# Altium PCB Control_Board.Pcbdoc (part 1 of 2) (continued)
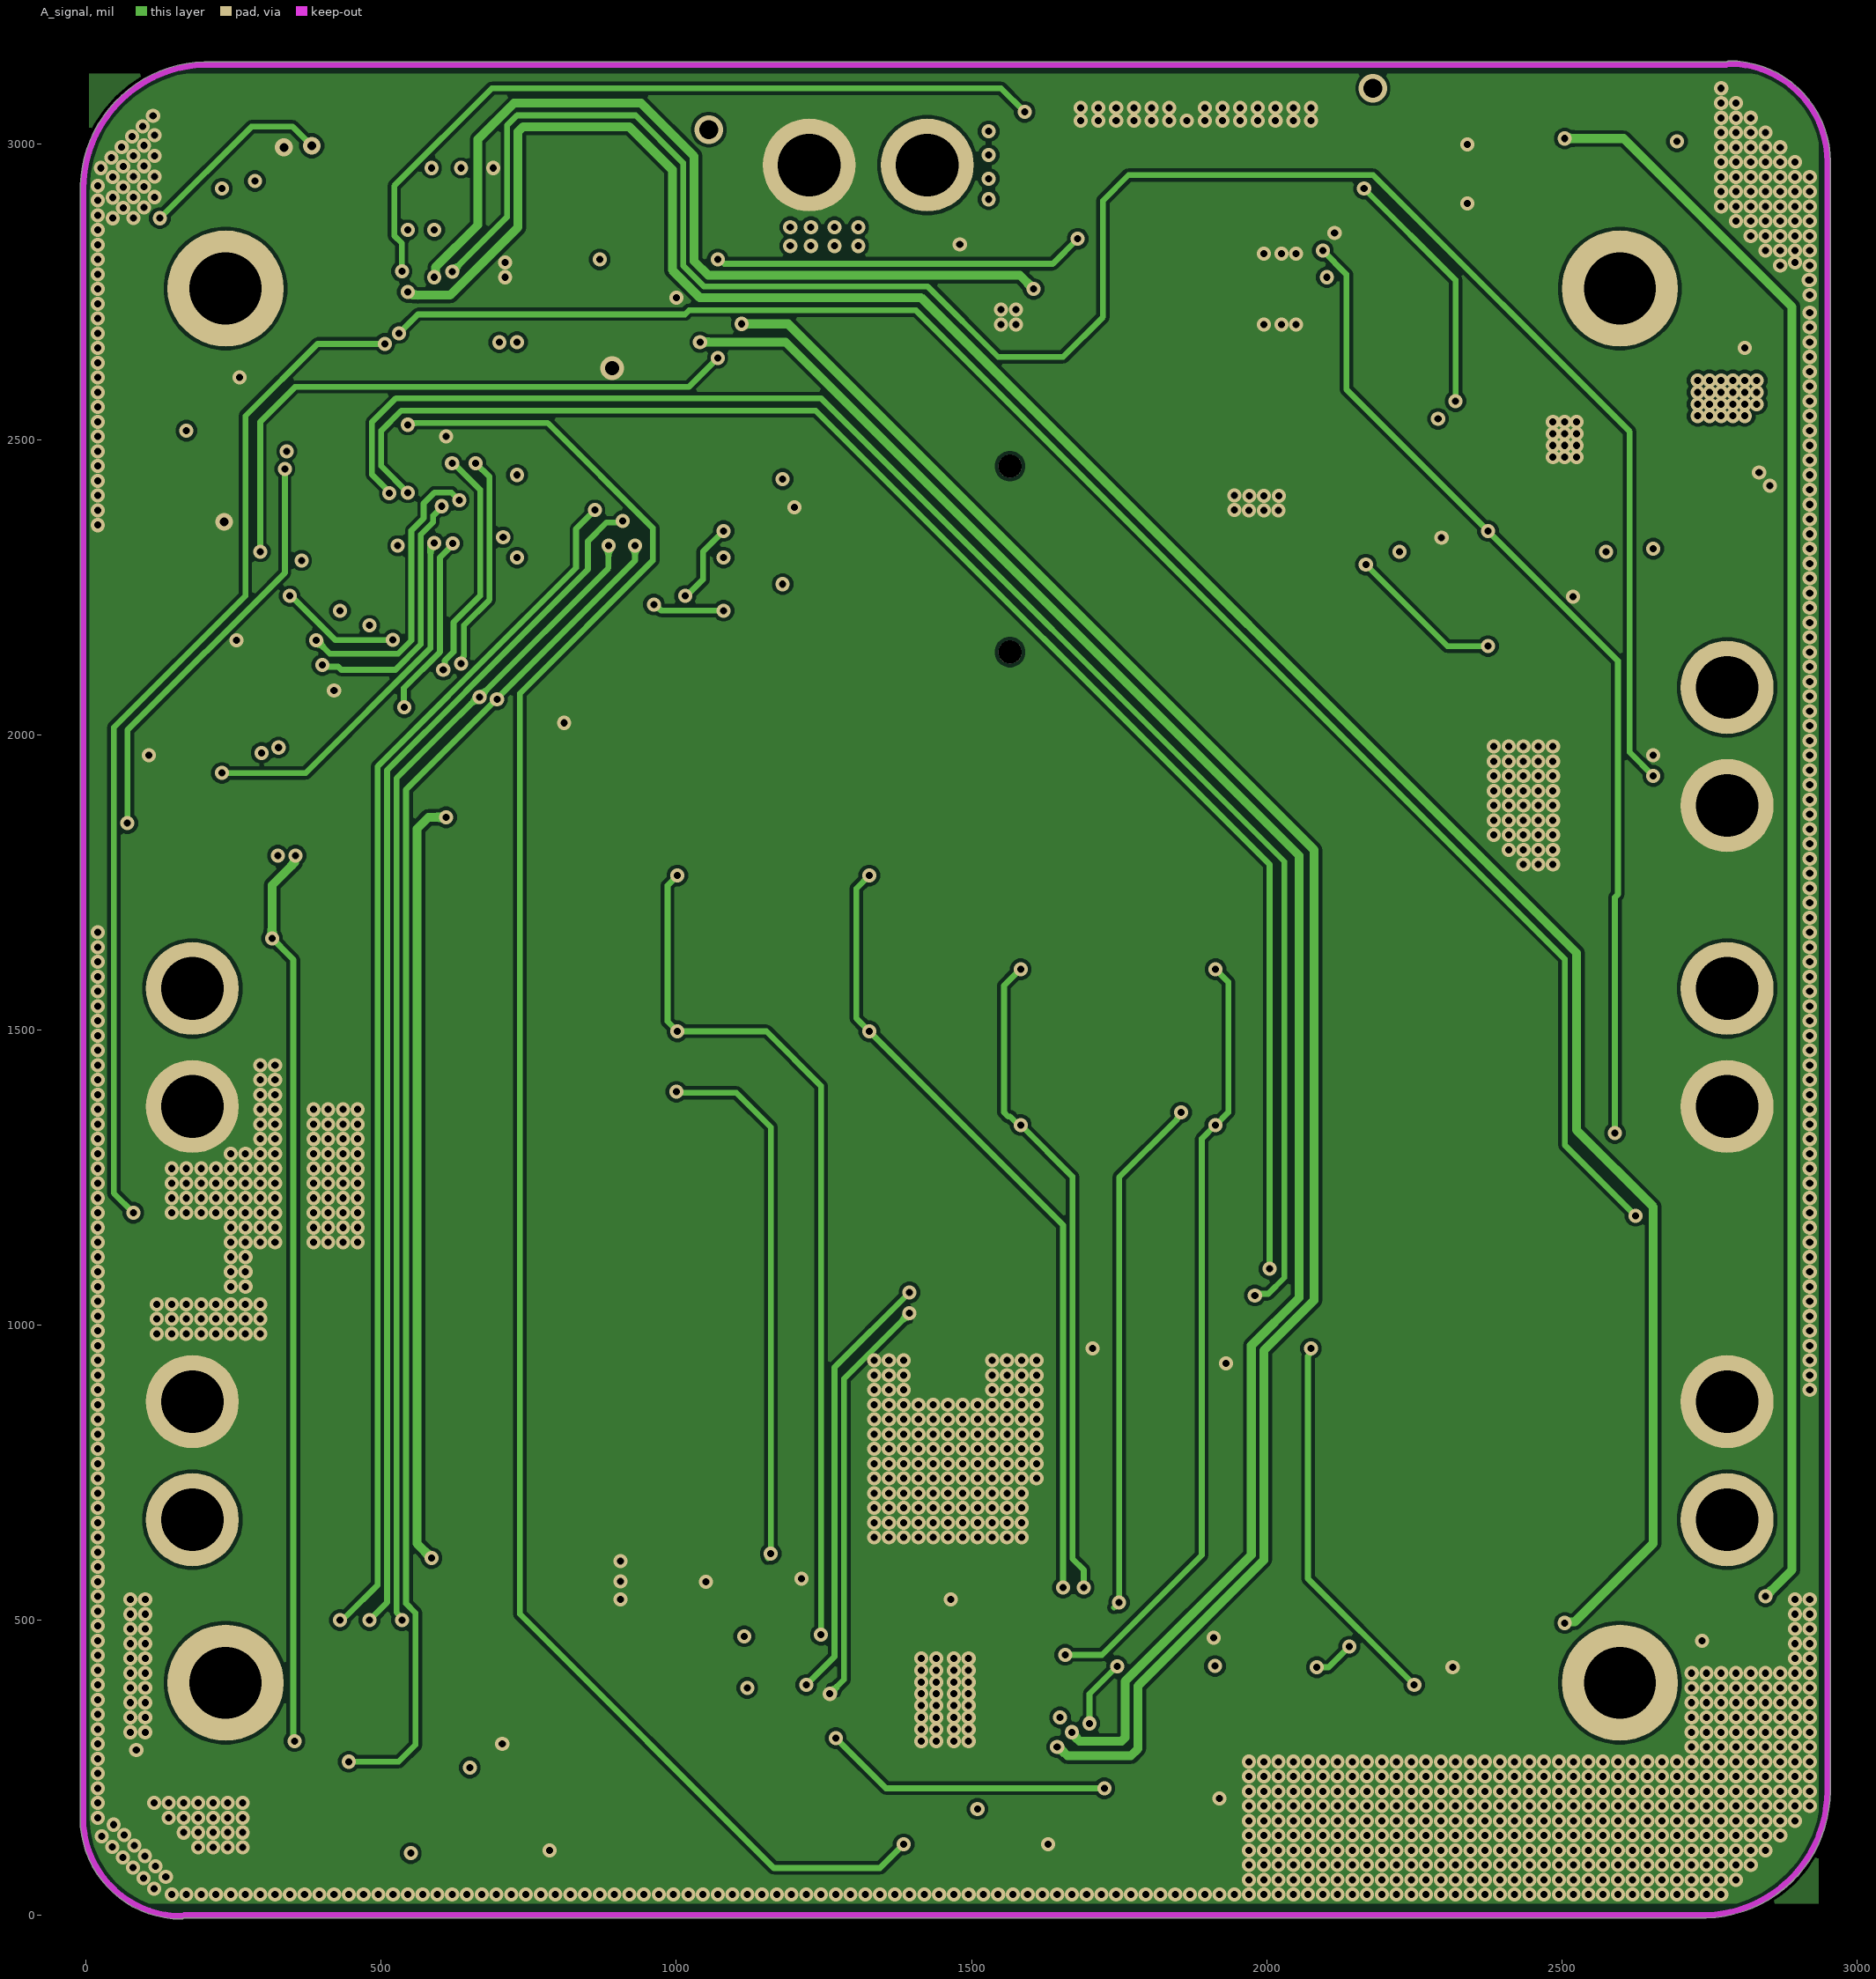
[diagram p3: A_signal]
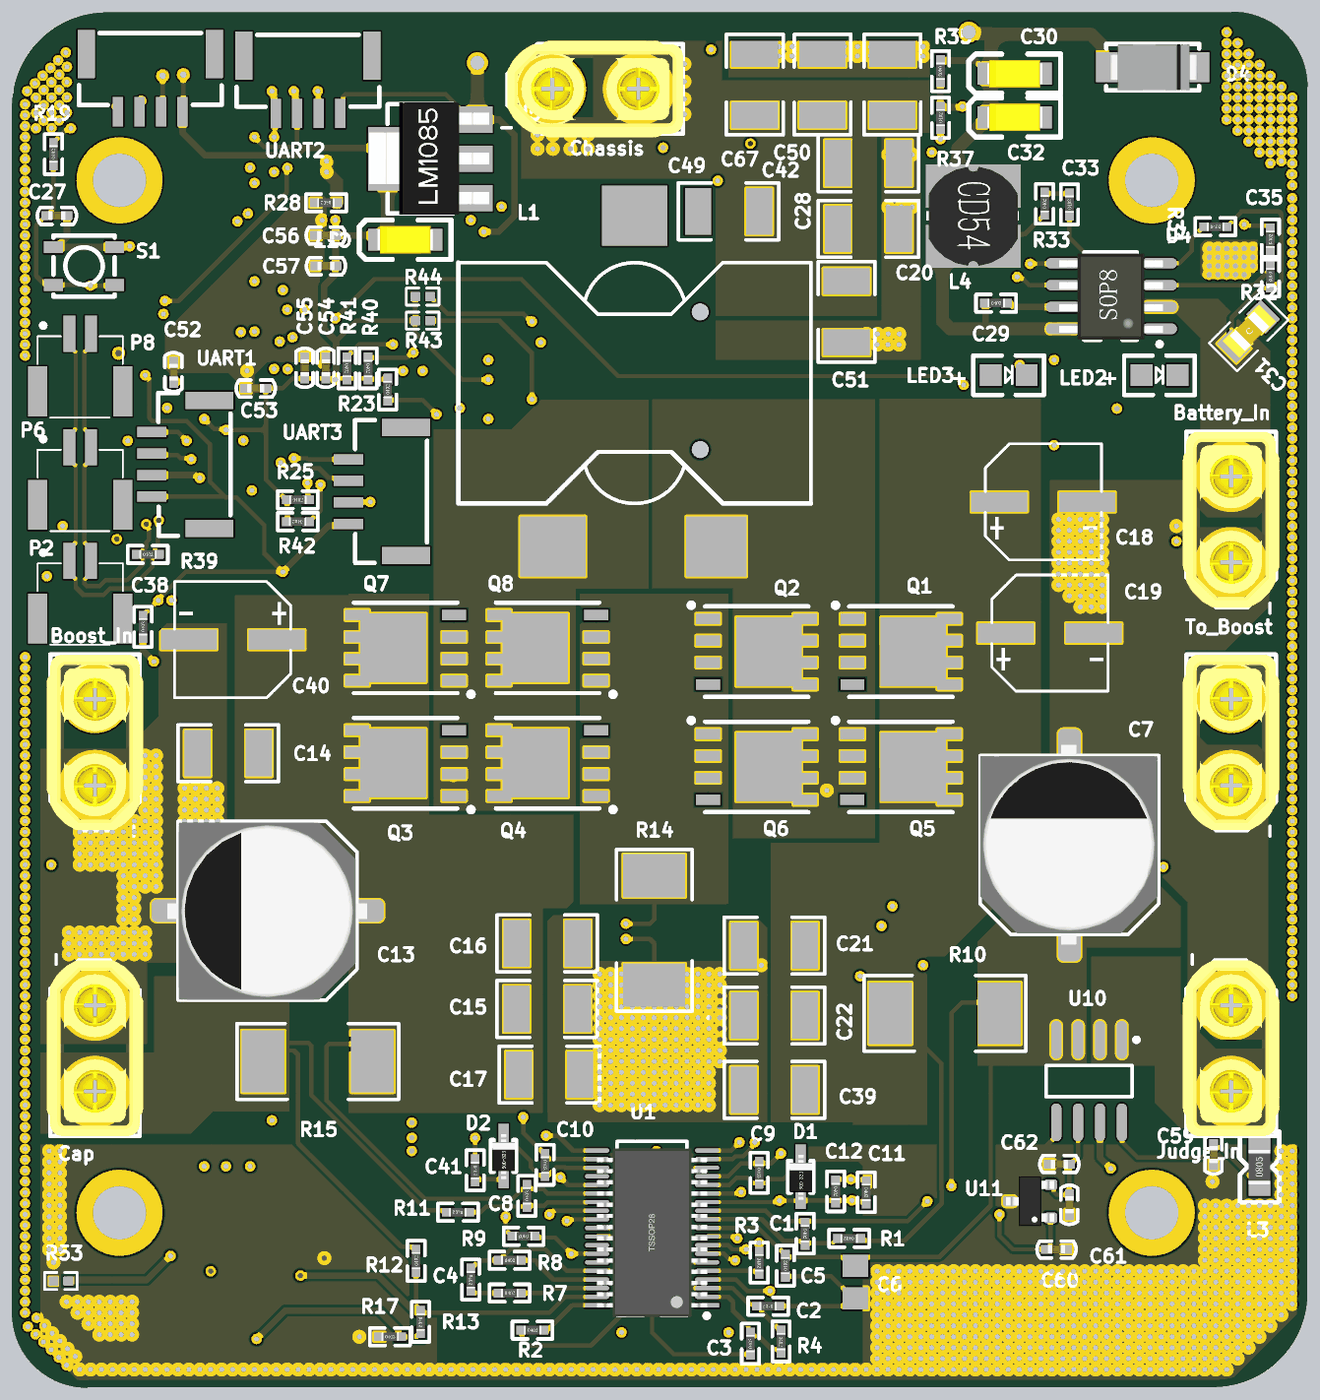
[diagram p5: 3D render of the assembled board from above, using the file's embedded part models]
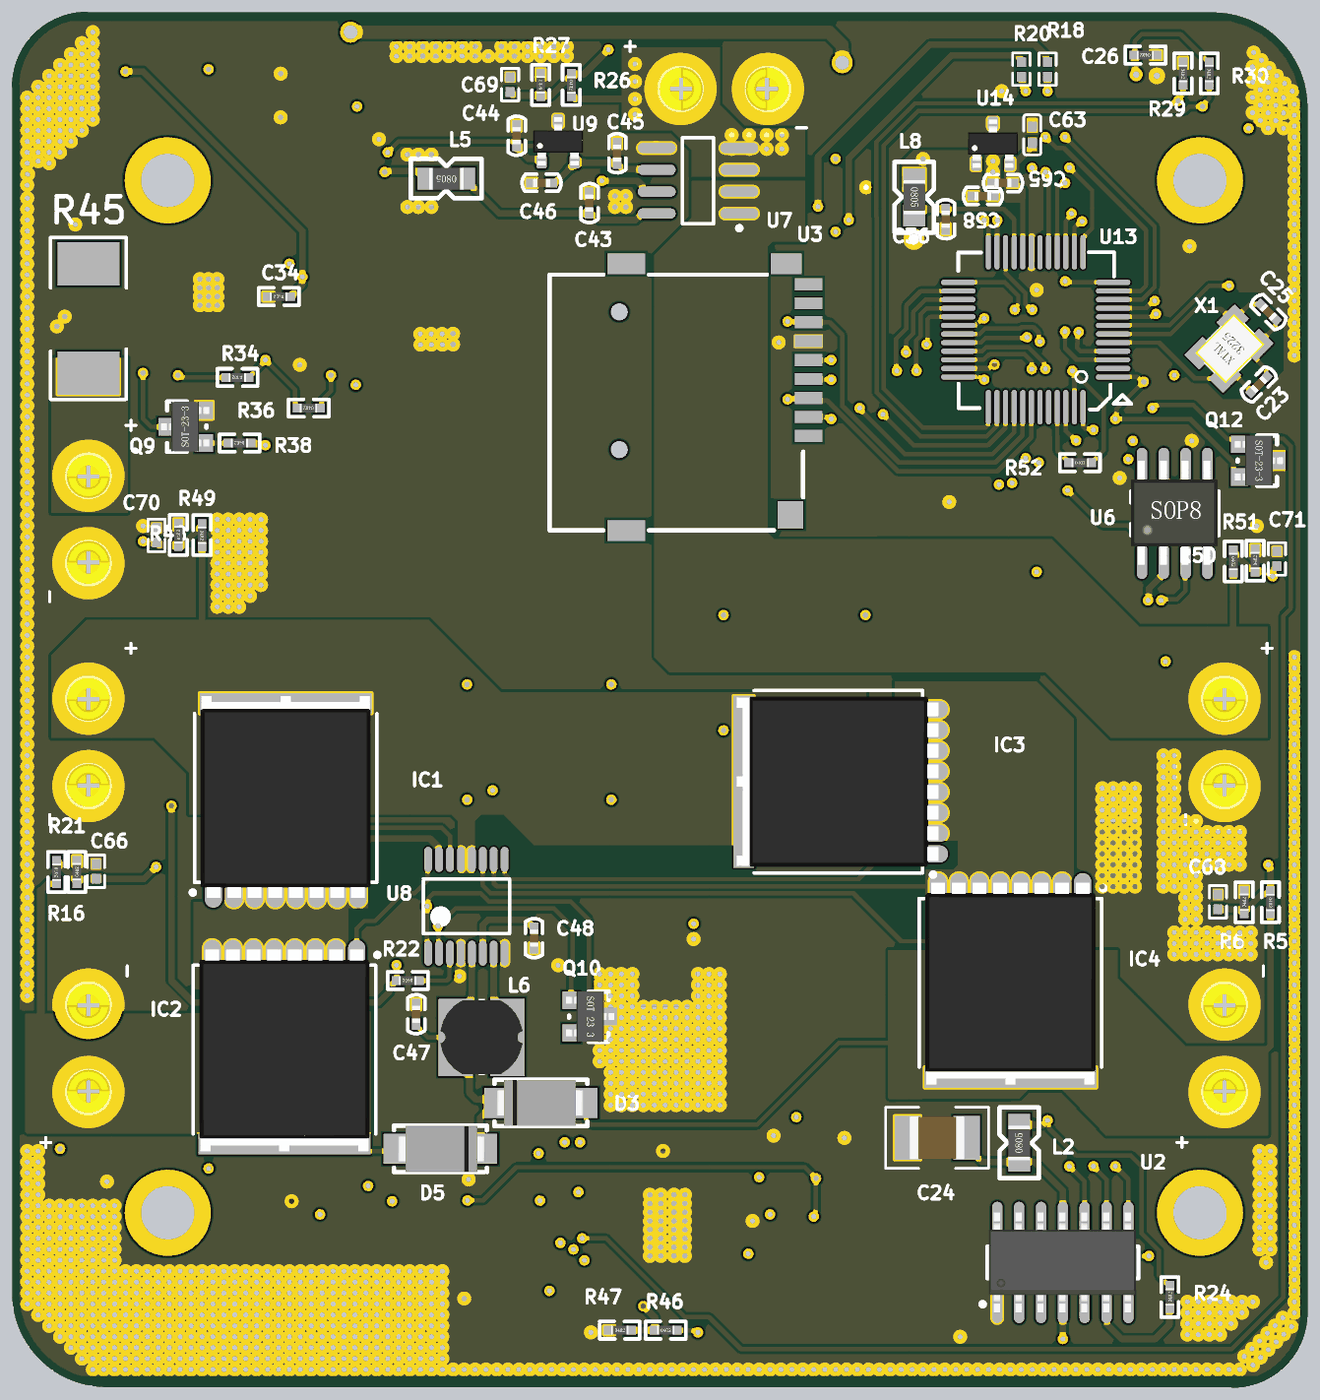
[diagram p6: 3D render of the assembled board from below, using the file's embedded part models]

## Layer stack, top to bottom
Top Solder: solder mask 0.4, Solder Resist, Dk 3.5
Power: signal copper 1.4
Dielectric 2: prepreg 2.8, PP-006, Dk 4.1
PGND: signal copper 1.378
Dielectric 1: dielectric 12.6, FR-4, Dk 4.8
A_signal: signal copper 1.378
Dielectric 3: prepreg 2.8, PP-006, Dk 4.1
Digital_signal: signal copper 1.4
Bottom Solder: solder mask 0.4, Solder Resist, Dk 3.5

## Board outline
161.32,-6.57 ccw(c161.32,-1.56) 165.09,-4.86 ccw(c166.32,0) 166.32,-5.01 2743.68,-5.01 ccw(c2743.68,0) 2744.57,-4.93 ccw(c2738.68,211.01) 2954.7,211.01 2954.7,2968.48 ccw(c2950,2970.24) 2955.02,2970.24 ccw(c2783.68,2970.24) 2783.68,3141.57 ccw(c2783.68,3136.56) 2779.91,3139.86 ccw(c2778.68,3135) 2778.68,3140.01 201.32,3140.01 ccw(c201.32,3135) 200.43,3139.93 ccw(c206.32,2923.99) -9.55,2932.11 ccw(c-5,2930) -10.02,2930 -10.02,164.76 ccw(c161.32,164.76)

## Design rules (kind name [scope] priority, off if disabled: settings)
Clearance [All] p1: gap=6 ignorepadtopadclearanceinfootprint=FALSE
DiffPairsRouting [All] p1: maxlimit=10 minlimit=10 mostfreqgap=10 toplayer_minwidth=10 toplayer_maxwidth=100 toplayer_prefwidth=15 midlayer1_minwidth=10 midlayer1_maxwidth=100 midlayer1_prefwidth=15 midlayer2_minwidth=10 midlayer2_maxwidth=100 midlayer2_prefwidth=15 bottomlayer_minwidth=10 bottomlayer_maxwidth=100 bottomlayer_prefwidth=15 maxuncoupledlength=500
HoleSize [All] p1: absolutevalues=TRUE maxlimit=500 minlimit=1 maxpercent=80.000 minpercent=20.000
HoleToHoleClearance [All] p1: gap=5 allowstackedmicrovias=TRUE
MinimumSolderMaskSliver [All] p1: minsoldermaskwidth=0
PlaneConnect [All] p1: planeconnectstyle=Direct reliefexpansion=20 reliefentries=4 reliefconductorwidth=10 reliefairgap=10
PolygonConnect [All] p1: connectstyle=Direct reliefconductorwidth=10 reliefentries=4 polygonreliefangle="90 Angle" airgapwidth=10
RoutingVias [All] p1: holewidth=12 width=24 viastyle="Through Hole" minholewidth=12 minwidth=24 maxholewidth=24 maxwidth=48
SilkToSilkClearance [All] p1: silktosilkclearance=0
SilkToSolderMaskClearance [IsPad] p1: minsilkscreentomaskgap=0 clearancetoexposedcopper=TRUE
SolderMaskExpansion [All] p1: expansion=4 istentingtop=FALSE
Width [All] p1: maxlimit=30 minlimit=10 preferedwidth=15
23 further rules are at their usual default settings.

## Classes and differential pairs
component class SuperCapBuck(2022.5.2)_PowerSwitch: Battery_In Boost_In C20 C28 C42 C43 C44 C45 C46 C47 C48 C49 C50 C51 C59 C60 C61 C62 C67 C69 C70 C71 Chassis D3 D5 IC1 IC2 IC3 IC4 L3 L5 L6 Q10 R22 R26 R27 R45 R48 R49 R50 R51 To_Boost U7 U8 U9 U10 U11
component class SuperCapBuck(2022.5.2)_Control: C23 C24 C25 C26 C27 C29 C30 C31 C32 C33 C34 C35 C36 C37 C38 C52 C53 C54 C55 C56 C57 C58 C63 C65 D4 L2 L4 L8 LED2 LED3 P2 P5 P6 P8 Q9 R19 R23 R24 R25 R28 R29 R30 R31 R32 R33 R34 R35 R36 R37 R38 R39 R40 R41 R42 R43 R44 R52 R53 S1 U2 U3 U4 U5 U6 U13 U14 UART1 UART2 UART3 X1
component class SuperCapBuck(2022.5.2)_Power: C1 C2 C3 C4 C5 C6 C7 C8 C9 C10 C11 C12 C13 C14 C15 C16 C17 C18 C19 C21 C22 C39 C40 C41 C66 C68 Cap D1 D2 Judge_In L1 Q1 Q2 Q3 Q4 Q5 Q6 Q7 Q8 Q12 R1 R2 R3 R4 R5 R6 R7 R8 R9 R10 R11 R12 R13 R14 R15 R16 R17 R18 R20 R21 R46 R47 U1
differential pair CAN_OUT: +CAN_OUT_P -CAN_OUT_N

## Components (designator, comment, footprint, x,y, rotation, side; value= is the part's Value field where it differs from the comment)
Battery_In "xt30" XT30-M 2780,1980 r270 top
Boost_In "xt30" XT30-M 180.01,1470 r270 top
C1 "470nF" r0402#1 1805,370 r270 top
C2 "100nF" r0402#1 1744.68,180 r180 top
C3 "330nF" r0402#1 1680,70 r90 top
C4 "330nF" r0402#1 1040,265 r270 top
C5 "100nF 50V" r0402#1 1760,248.41 r90 top
C6 "1uf 50V" 0805-2 1920,235 r90 top
C7 "470uF" C10X10 2410,1235 r90 top
C8 "Cap" r0402#1 1168.5,408 r90 top value=470nF
C9 "100nF" r0402#1 1700,509.39 r270 top
C10 "100nF" r0402#1 1210,527.5 r270 top
C11 "100nF" r0402#1 1945,464.68 r270 top
C12 "4.7uF" r0402#1 1875,466.71 r270 top
C13 "Cap Pol" C10X10 575,1085 r180 top value=470uF
C14 "4.7uf" 1210 485,1445 r0 top
C15 "4.7uf" 1210 1215,860 r180 top
C16 "220uf" 1210 1215,1010 r180 top
C17 "220uf" 1210 1220,710 r180 top
C18 "47uf" 6.3*7.7MM 2350,2020 r180 top
C19 "47uf" 6.3*7.7MM 2365,1720 r180 top
C20 "220uf" 1210 1950,2645 r180 top
C21 "4.7uf" 1210 1735,1005 r0 top
C22 "4.7uf" 1210 1735,845 r0 top
C23 "27pf" c0402#1 116.82,2273.18 r135 bottom value=14pF
C24 "100uf" 1210C 905,565 r180 bottom
C25 "27pf" c0402#1 95,2470 r225 bottom value=14pF
C26 "100nF" r0402#1 336.97,3042.5 r0 bottom
C27 "100nf" c0402#1 115,2675 r180 top value=100nF
C28 "220uf" 1210 2005,2975 r270 top
C29 "104" r0402#1 2218.2,2475 r0 top
C30 "10uF 16V" 3216 2285,3000 r180 top value=337
C31 "10uf" 0805-1C 2820,2410 r45 top
C32 "10uF 16V" 3216 2285,2900 r180 top value=337
C33 "331" r0402#1 2410,2676.8 r90 top
C34 "104" r0402#1 2320,2490 r0 bottom
C35 "104" r0402#1 2870,2596.8 r90 top
C36 "100nf" c0402#1 818,2689 r270 bottom value=10nf
C37 "10UF" 3216 890,2620 r180 top value=10uF
C38 "104" r0402#1 290,1710 r90 top
C39 "220uf" 1210 1735,675 r0 top
C40 "Cap Pol" 6.3*7.7MM 495.59,1705 r0 top value=47uf
C41 "100nF" r0402#1 1050,515 r270 top
C42 "220uf" 1210 1950,2795 r180 top
C43 "1uf" c0402#1 1633.75,2726 r270 bottom
C44 "1uf" c0402#1 1800,2880 r270 bottom
C45 "100nf" c0402#1 1570,2840 r270 bottom
C46 "1uf" c0402#1 1765,2750 r180 bottom
C47 "1uf" c0402#1 2030,870 r270 bottom
C48 "1uf" c0402#1 1760,1000 r90 bottom
C49 "220uf" 1210 1630,2685 r0 top
C50 "220uf" 1210 1845,2975 r270 top
C51 "220uf" 1210 1900,2455 r90 top
C52 "100nf" c0402#1 360,2295 r90 top value=10nf
C53 "100nf" c0402#1 570,2280 r180 top value=10nf
C54 "100nf" c0402#1 708.33,2305 r90 top value=10nf
C55 "100nf" c0402#1 660,2305 r90 top value=10nf
C56 "100nf" c0402#1 730,2630 r180 top value=10nf
C57 "1uf" c0402#1 730.5,2560 r180 top value=10nf
C58 "1uf" c0402#1 755,2720 r180 bottom value=10nf
C59 "1uf" c0402#1 2740,505 r90 top
C60 "1uf" c0402#1 2402.5,310 r180 top
C61 "100nf" c0402#1 2410,390 r90 top
C62 "1uf" c0402#1 2365,505 r0 top
C63 "0.1uf" c0402#2 620,2860 r90 bottom value=10nf
C65 "10uf" c0402#1 665,2750 r0 bottom value=10nf
C66 "100nF" r0402#2 2762.56,1174.8 r270 bottom
C67 "220uf" 1210 1690,2975 r270 top
C68 "100nF" r0402#2 195,1105 r270 bottom
C69 "100nF" r0402#2 1815,2975 r270 bottom
C70 "100nF" r0402#2 2624.15,1943.78 r270 bottom
C71 "100nF" r0402#2 60,1890 r270 bottom
Cap "xt30" XT30-M 180.01,770 r90 top
Chassis "xt30" XT30-M 1325,2965 r180 top
D1 "D-Schottky" sod323 1795,430 r90 top
D2 "D-Schottky" sod323 1115,477.48 r90 top
D3 "SS54B" DO-214 1653.9,645 r0 bottom
D4 "SS54B" DO-214 2510,3015 r0 top
D5 "SS54B" DO-214 2065,540 r180 bottom
IC1 "IPT020N10N3ATMA1" "INFINEON PG-HSOF-8-1" 2328.62,1342.83 r90 bottom
IC2 "IPT020N10N3ATMA1" "INFINEON PG-HSOF-8-1" 2331.38,767.17 r270 bottom
IC3 "IPT020N10N3ATMA1" "INFINEON PG-HSOF-8-1" 1063.7,1380 r0 bottom
IC4 "IPT020N10N3ATMA1" "INFINEON PG-HSOF-8-1" 670,920 r270 bottom
Judge_In "xt30" XT30-M 2780,770 r90 top
L1 "10uH" SER_2000 1011.46,2016.54 r0 top locked
L2 "10uh" l0805 649.8,512.7 r90 bottom value=47uH
L3 "10uh" l0805 2845.2,457.7 r90 top value=47uH
L4 "22uH" CD54NP 2189.98,2673.98 r90 top value=47uH
L5 "10uh" l0805 1920,2760 r0 bottom value=47uH
L6 "1mh" CD43NP 1880,795 r180 bottom value=47uH
L8 "10uh" l0805 890.2,2758.3 r270 bottom value=47uH
LED2 "LED_灯_黄" LED0805 2575,2310 r0 top
LED3 "LED_灯_黄" LED0805 2230,2310 r0 top
P2 "P2" gh1.25 155,1785 r180 top
P5 "Header 4" "GH1.25 4P 立贴" 309.25,3009.17 r180 top
P6 "P2" GH1.25 155,2044.8 r180 top
P8 "P2" GH1.25 155,2304.61 r180 top
Q1 "NTMFS5C670" PG-TDSON-8 2040.39,1675.12 r270 top
Q2 "NTMFS5C670" PG-TDSON-8 1710.2,1675.12 r270 top
Q3 "NTMFS5C670" PG-TDSON-8 874.8,1424.88 r90 top
Q4 "NTMFS5C670" PG-TDSON-8 1199.8,1424.88 r90 top
Q5 "NTMFS5C670" PG-TDSON-8 2040.2,1411.32 r270 top
Q6 "NTMFS5C670" PG-TDSON-8 1710.2,1411.32 r270 top
Q7 "NTMFS5C670" PG-TDSON-8 874.8,1688.68 r90 top
Q8 "NTMFS5C670" PG-TDSON-8 1199.8,1688.68 r90 top
Q9 "SS8050" SOT-23 2514.37,2150.12 r90 bottom
Q10 "ESDA6V1L" SOT-23 1675.63,884.88 r270 bottom
Q12 "ESDA6V1L" SOT-23 145.63,2156.88 r270 bottom
R1 "51" r0402#1 1930,335 r180 top
R2 "220K" r0402#1 1157.18,125 r0 top
R3 "220K" r0402#1 1700,303.51 r270 top
R4 "100K" r0402#1 1750,123.2 r270 top
R5 "10K" r0402#1 75,1128.2 r270 bottom
R6 "1K" r0402#1 135,1080 r90 bottom
R7 "3.3K" r0402#1 1105,210 r0 top
R8 "150K" r0402#1 1105,285 r0 top
R9 "100K" r0402#1 1185,340 r180 top
R10 "0.002" 2512 2125,850 r180 top
R11 "0" r0402#1 1035,395 r180 top
R12 "51K" r0402#1 915,259.68 r90 top value=510K
R13 "0" r0402#1 925,168.2 r270 top
R14 "0.002" 2512 1460,1040 r270 top
R15 "0.004" 2512 690,740 r180 top
R16 "10K" r0402#1 2852.78,1197.39 r270 bottom
R17 "2.2K" r0402#1 831.01,110 r0 top value=22K
R18 "51" R0402 585,3010 r90 bottom value=0
R19 "10k" r0402#1 85,2791.8 r90 top value=10K
R20 "51" r0402#2 645,3010 r90 bottom value=0
R21 "1K" r0402#1 2806.45,1149.54 r90 bottom
R22 "10K" r0402#1 2025,925 r0 bottom
R23 "10K" r0402#1 849.82,2253.18 r90 top
R24 "10K" r0402#1 305,176.8 r90 bottom
R25 "10K" r0402#1 620,2025 r0 top
R26 "10K" r0402#1 1675,2998.2 r270 bottom
R27 "1K" r0402#1 1745,2950 r90 bottom
R28 "0" r0402#1 733.15,2704.68 r180 top
R29 "10K" r0402#1 275,3024.69 r270 bottom
R30 "10K" r0402#1 215,3024.69 r270 bottom
R31 "500K" r0402#1 2720,2650 r0 top
R32 "200K" r0402#1 2870,2559.68 r270 top
R33 "4.7" r0402#1 2353.2,2678.2 r90 top
R34 "2K" r0402#1 2415,2305 r0 bottom
R35 "160K" r0402#1 2115,3030 r270 top
R36 "1K" r0402#1 2251.8,2235 r0 bottom
R37 "51K" r0402#1 2115,2875 r90 top
R38 "2K" r0402#1 2410,2155 r0 bottom
R39 "120R" r0402#1 276.8,1900 r0 top
R40 "10K" r0402#1 805,2349.85 r270 top
R41 "10K" r0402#1 756.67,2349.85 r270 top
R42 "10K" r0402#1 668.2,1975 r180 top
R43 "10K" r0402#2 930,2435 r180 top
R44 "10K" r0402#2 930,2490 r180 top
R45 "0.002" 2512 2780,2440 r270 bottom value=0
R46 "3.3K" r0402#1 1483.2,125 r180 bottom
R47 "1K" r0402#1 1588.2,125 r180 bottom
R48 "10K" r0402#1 2520,1968.2 r270 bottom
R49 "1K" r0402#1 2574.15,1920.58 r90 bottom
R50 "10K" r0402#1 160,1908.2 r270 bottom
R51 "1K" r0402#1 110,1861.8 r90 bottom
R52 "10K" r0402#1 535,2110 r180 bottom
R53 "0" r0402#2 102.01,237.49 r0 top
S1 "SW" KEY_SMD 155,2560 r180 top
To_Boost "xt30" XT30-M 2780,1470 r270 top
U1 "LT3790EFE" TSSOP38 1455,359.02 r180 top
U2 "AD8402ARZ10" SOIC14 550,280 r90 bottom
U3 "XDFP-0090-012" SIM-SMD_LX_XDFP-0090-012 1415,2260 r270 bottom
U4 "SY8501" SO8E 2616.23,2416.2 r180 top
U5 "LM1117S-3.3" sot-223 1050,2805 r90 top
U6 "SN65HVD1050DR" LM358 290,1980 r90 bottom
U7 "TMCS1100A2" SOIC8_N 1385,2755 r0 bottom
U8 "LTC1473" "16P 0.635mm SSOP" 1915,1095 r90 bottom
U9 "REF3318AIDBZR" sot23-3 1705,2845 r90 bottom
U10 "TMCS1100A2" SOIC8_N 2455,695 r270 top
U11 "REF3318AIDBZR" sot23-3 2320,420 r180 top
U13 "STM32G431CBT6" LQFP-48 612.16,2414.21 r0 bottom
U14 "REF3330" sot23-3 710,2840 r90 bottom
UART1 "Header 4" "gh1.25 4p 立贴" 406.07,2103.58 r90 top
UART2 "Header 4" "GH1.25 4P 立贴" 670,3005 r180 top
UART3 "Header 4" "gh1.25 4p 立贴" 856.07,2041.22 r90 top
X1 "12M" XTAL-3225 170,2370 r45 bottom
